# KiCad board poly_kb_wave_left2.kicad_pcb
title: PolyKybd Split72 L; date: 2023-06-22; rev: 2.2; company: thpoll

Outline 182 x 129 mm; copper layers: Top (plane), In1.Cu, In2.Cu (plane), Bottom. Coordinates in mm from the lower left corner of the outline.
Outline path: 15.1,101.57 arc(14.21,102.46) 15.1,103.35 ; 15.1,101.57 arc(14.21,102.46) 15.1,103.35 ; 15.1,101.57 23.08,101.57 ; 15.1,103.35 23.08,103.35 ; 15.1,82.52 arc(14.21,83.41) 15.1,84.3 ; 15.1,82.52 arc(14.21,83.41) 15.1,84.3 ; 15.1,82.52 23.08,82.52 ; 15.1,84.3 23.08,84.3 ; 15.1,63.47 arc(14.21,64.36) 15.1,65.25 ; 15.1,63.47 arc(14.21,64.36) 15.1,65.25 ; 15.1,63.47 23.08,63.47 ; 15.1,65.25 23.08,65.25 ; 15.1,44.42 arc(14.21,45.31) 15.1,46.2 ; 15.1,44.42 arc(14.21,45.31) 15.1,46.2 ; 15.1,44.42 23.08,44.42 ; 15.1,46.2 23.08,46.2 ; 19.86,25.37 arc(18.97,26.26) 19.86,27.15 ; 19.86,25.37 arc(18.97,26.26) 19.86,27.15 ; 19.86,25.37 27.84,25.37 ; 19.86,27.15 27.84,27.15 ; 23.08,103.35 arc(23.97,102.46) 23.08,101.57 ; 23.08,103.35 arc(23.97,102.46) 23.08,101.57 ; 23.08,84.3 arc(23.97,83.41) 23.08,82.52 ; 23.08,84.3 arc(23.97,83.41) 23.08,82.52 ; 23.08,65.25 arc(23.97,64.36) 23.08,63.47 ; 23.08,65.25 arc(23.97,64.36) 23.08,63.47 ; 23.08,46.2 arc(23.97,45.31) 23.08,44.42 ; 23.08,46.2 arc(23.97,45.31) 23.08,44.42 ; 27.84,27.15 arc(28.73,26.26) 27.84,25.37 ; 27.84,27.15 arc(28.73,26.26) 27.84,25.37 ; 38.91,101.57 arc(38.02,102.46) 38.91,103.35 ; 38.91,101.57 arc(38.02,102.46) 38.91,103.35 ; 38.91,101.57 46.89,101.57 ; 38.91,103.35 46.89,103.35 ; 38.91,82.52 arc(38.02,83.41) 38.91,84.3 ; 38.91,82.52 arc(38.02,83.41) 38.91,84.3 ; 38.91,82.52 46.89,82.52 ; 38.91,84.3 46.89,84.3 ; 38.91,63.47 arc(38.02,64.36) 38.91,65.25 ; 38.91,63.47 arc(38.02,64.36) 38.91,65.25 ; 38.91,63.47 46.89,63.47 ; 38.91,65.25 46.89,65.25 ; 38.91,44.42 arc(38.02,45.31) 38.91,46.2 ; 38.91,44.42 arc(38.02,45.31) 38.91,46.2 ; 38.91,44.42 46.89,44.42 ; 38.91,46.2 46.89,46.2 ; 38.91,25.37 arc(38.02,26.26) 38.91,27.15 ; 38.91,25.37 arc(38.02,26.26) 38.91,27.15 ; 38.91,25.37 46.89,25.37 ; 38.91,27.15 46.89,27.15 ; 46.89,103.35 arc(47.78,102.46) 46.89,101.57 ; 46.89,103.35 arc(47.78,102.46) 46.89,101.57 ; 46.89,84.3 arc(47.78,83.41) 46.89,82.52 ; 46.89,84.3 arc(47.78,83.41) 46.89,82.52 ; 46.89,65.25 arc(47.78,64.36) 46.89,63.47 ; 46.89,65.25 arc(47.78,64.36) 46.89,63.47 ; 46.89,46.2 arc(47.78,45.31) 46.89,44.42 ; 46.89,46.2 arc(47.78,45.31) 46.89,44.42 ; 46.89,27.15 arc(47.78,26.26) 46.89,25.37 ; 46.89,27.15 arc(47.78,26.26) 46.89,25.37 ; 57.96,103.95 arc(57.07,104.84) 57.96,105.73 ; 57.96,103.95 arc(57.07,104.84) 57.96,105.73 ; 57.96,103.95 65.94,103.95 ; 57.96,105.73 65.94,105.73 ; 57.96,84.9 arc(57.07,85.79) 57.96,86.68 ; 57.96,84.9 arc(57.07,85.79) 57.96,86.68 ; 57.96,84.9 65.94,84.9 ; 57.96,86.68 65.94,86.68 ; 57.96,65.85 arc(57.07,66.74) 57.96,67.63 ; 57.96,65.85 arc(57.07,66.74) 57.96,67.63 ; 57.96,65.85 65.94,65.85 ; 57.96,67.63 65.94,67.63 ; 57.96,46.8 arc(57.07,47.69) 57.96,48.58 ; 57.96,46.8 arc(57.07,47.69) 57.96,48.58 ; 57.96,46.8 65.94,46.8 ; 57.96,48.58 65.94,48.58 ; 57.96,27.75 arc(57.07,28.64) 57.96,29.53 ; 57.96,27.75 arc(57.07,28.64) 57.96,29.53 ; 57.96,27.75 65.94,27.75 ; 57.96,29.53 65.94,29.53 ; 65.94,105.73 arc(66.83,104.84) 65.94,103.95 ; 65.94,105.73 arc(66.83,104.84) 65.94,103.95 ; 65.94,86.68 arc(66.83,85.79) 65.94,84.9 ; 65.94,86.68 arc(66.83,85.79) 65.94,84.9 ; 65.94,67.63 arc(66.83,66.74) 65.94,65.85 ; 65.94,67.63 arc(66.83,66.74) 65.94,65.85 ; 65.94,48.58 arc(66.83,47.69) 65.94,46.8 ; 65.94,48.58 arc(66.83,47.69) 65.94,46.8 ; 65.94,29.53 arc(66.83,28.64) 65.94,27.75 ; 65.94,29.53 arc(66.83,28.64) 65.94,27.75 ; 77.01,106.34 arc(76.12,107.22) 77.01,108.11 ; 77.01,106.34 arc(76.12,107.22) 77.01,108.11 ; 77.01,106.34 84.99,106.34 ; 77.01,108.11 84.99,108.11 ; 77.01,87.29 arc(76.12,88.17) 77.01,89.06 ; 77.01,87.29 arc(76.12,88.17) 77.01,89.06 ; 77.01,87.29 84.99,87.29 ; 77.01,89.06 84.99,89.06 ; 77.01,68.24 arc(76.12,69.12) 77.01,70.01 ; 77.01,68.24 arc(76.12,69.12) 77.01,70.01 ; 77.01,68.24 84.99,68.24 ; 77.01,70.01 84.99,70.01 ; 77.01,49.19 arc(76.12,50.08) 77.01,50.96 ; 77.01,49.19 arc(76.12,50.07) 77.01,50.96 ; 77.01,49.19 84.99,49.19 ; 77.01,50.96 84.99,50.96 ; 77.01,30.14 arc(76.12,31.02) 77.01,31.91 ; 77.01,30.14 arc(76.12,31.02) 77.01,31.91 ; 77.01,30.14 84.99,30.14 ; 77.01,31.91 84.99,31.91 ; 84.99,108.11 arc(85.88,107.23) 84.99,106.34 ; 84.99,108.11 arc(85.88,107.22) 84.99,106.34 ; 84.99,89.06 arc(85.88,88.18) 84.99,87.29 ; 84.99,89.06 arc(85.88,88.17) 84.99,87.29 ; 84.99,70.01 arc(85.88,69.13) 84.99,68.24 ; 84.99,70.01 arc(85.88,69.12) 84.99,68.24 ; 84.99,50.96 arc(85.88,50.08) 84.99,49.19 ; 84.99,50.96 arc(85.88,50.08) 84.99,49.19 ; 84.99,31.91 arc(85.88,31.03) 84.99,30.14 ; 84.99,31.91 arc(85.88,31.02) 84.99,30.14 ; 96.06,103.95 arc(95.17,104.84) 96.06,105.73 ; 96.06,103.95 arc(95.17,104.84) 96.06,105.73 ; 96.06,103.95 arc(95.17,104.84) 96.06,105.73 ; 96.06,103.95 104.04,103.95 ; 96.06,105.73 104.04,105.73 ; 96.06,84.9 arc(95.17,85.79) 96.06,86.68 ; 96.06,84.9 arc(95.17,85.79) 96.06,86.68 ; 96.06,84.9 104.04,84.9 arc(104.93,85.79) 104.04,86.68 96.06,86.68 ; 96.06,65.85 arc(95.17,66.74) 96.06,67.63 ; 96.06,65.85 arc(95.17,66.74) 96.06,67.63 ; 96.06,65.85 104.04,65.85 arc(104.93,66.74) 104.04,67.63 96.06,67.63 ; 96.06,46.8 arc(95.17,47.69) 96.06,48.58 ; 96.06,46.8 arc(95.17,47.69) 96.06,48.58 ; 96.06,46.8 104.04,46.8 arc(104.93,47.69) 104.04,48.58 96.06,48.58 ; 104.04,105.73 arc(104.93,104.84) 104.04,103.95 ; 104.04,105.73 arc(104.93,104.84) 104.04,103.95 ; 115.11,101.57 arc(114.22,102.46) 115.11,103.35 ; 115.11,101.57 arc(114.22,102.46) 115.11,103.35 ; 115.11,101.57 123.09,101.57 ; 115.11,103.35 123.09,103.35 ; 115.11,82.52 arc(114.22,83.41) 115.11,84.3 ; 115.11,82.52 arc(114.22,83.41) 115.11,84.3 ; 115.11,82.52 123.09,82.52 ; 115.11,84.3 123.09,84.3 ; 115.11,63.47 arc(114.22,64.36) 115.11,65.25 ; 115.11,63.47 arc(114.22,64.36) 115.11,65.25 ; 115.11,63.47 123.09,63.47 ; 115.11,65.25 123.09,65.25 ; 115.11,44.42 arc(114.22,45.31) 115.11,46.2 ; 115.11,44.42 arc(114.22,45.31) 115.11,46.2 ; 115.11,44.42 123.09,44.42 ; 115.11,46.2 123.09,46.2 ; 123.09,103.35 arc(123.98,102.46) 123.09,101.57 ; 123.09,103.35 arc(123.98,102.46) 123.09,101.57 ; 123.09,84.3 arc(123.98,83.41) 123.09,82.52 ; 123.09,84.3 arc(123.98,83.41) 123.09,82.52 ; 123.09,65.25 arc(123.98,64.36) 123.09,63.47 ; 123.09,65.25 arc(123.98,64.36) 123.09,63.47 ; 123.09,46.2 arc(123.98,45.31) 123.09,44.42 ; 123.09,46.2 arc(123.98,45.31) 123.09,44.42 ; 134.16,101.57 arc(133.27,102.46) 134.16,103.35 ; 134.16,101.57 arc(133.27,102.46) 134.16,103.35 ; 134.16,101.57 142.14,101.57 ; 134.16,103.35 142.14,103.35 ; 134.16,82.52 arc(133.27,83.41) 134.16,84.3 ; 134.16,82.52 arc(133.27,83.41) 134.16,84.3 ; 134.16,82.52 142.14,82.52 ; 134.16,84.3 142.14,84.3 ; 134.16,63.47 arc(133.27,64.36) 134.16,65.25 ; 134.16,63.47 arc(133.27,64.36) 134.16,65.25 ; 134.16,63.47 142.14,63.47 ; 134.16,65.25 142.14,65.25 ; 142.14,103.35 arc(143.03,102.46) 142.14,101.57 ; 142.14,103.35 arc(143.03,102.46) 142.14,101.57 ; 142.14,84.3 arc(143.03,83.41) 142.14,82.52 ; 142.14,84.3 arc(143.03,83.41) 142.14,82.52 ; 142.14,65.25 arc(143.03,64.36) 142.14,63.47 ; 142.14,65.25 arc(143.03,64.36) 142.14,63.47 ; 157.14,11.75 149.63,14.48 arc(148.5,13.95) 149.03,12.81 156.53,10.08 arc(157.67,10.61) 157.14,11.75 ; 157.14,11.75 149.64,14.48 arc(148.5,13.95) 149.03,12.81 156.53,10.08 arc(157.67,10.61) 157.14,11.75 ; 0,122 0,40 6,21 9,18 52,18 121,12 161,0 163,0 165,1 181,45 182,49 182,123 180,125 112.7,129 71.2,129 1,123 0,122 ; 106.84,20.92 arc(106.03,21.88) 106.99,22.69 114.94,21.99 arc(115.75,21.03) 114.79,20.22 106.84,20.92 ; 106.84,20.92 arc(106.03,21.89) 107,22.69 114.95,22 arc(115.76,21.04) 114.79,20.23 106.84,20.92 ; 128.5,18.13 arc(127.84,19.2) 128.92,19.85 136.68,17.99 arc(137.33,16.92) 136.26,16.26 128.5,18.13 ; 128.52,18.13 arc(127.87,19.21) 128.94,19.86 136.7,18 arc(137.36,16.93) 136.28,16.27 128.52,18.13 ; 134.21,39.84 arc(133.55,40.91) 134.62,41.56 142.38,39.7 arc(143.04,38.63) 141.97,37.97 134.21,39.84 ; 134.21,39.85 arc(133.55,40.94) 134.65,41.58 142.39,39.72 arc(143.04,38.65) 141.97,37.99 134.21,39.85 ; 157.11,33.47 arc(156.58,34.61) 157.72,35.14 165.22,32.41 arc(165.75,31.27) 164.61,30.74 157.11,33.47 ; 157.14,33.47 arc(156.61,34.61) 157.74,35.14 165.25,32.41 arc(165.78,31.27) 164.64,30.74 157.14,33.47
Stack: Top 0.035mm / dielectric 0.2104mm FR4 er 4.5 / In1.Cu 0.0152mm / dielectric 1.065mm FR4 er 4.5 / In2.Cu 0.0152mm / dielectric 0.2104mm FR4 er 4.5 / Bottom 0.035mm

## Placement (name value [footprint] x y rotation side)
C1_1  2.2uF 0603 25V  [C_0603_1608Metric]  27.02 117.76 270 bottom
C1_2  2.2uF 0603 25V  [C_0603_1608Metric]  50.84 117.76 270 bottom
C1_3  2.2uF 0603 25V  [C_0603_1608Metric]  69.89 120.15 270 bottom
C1_4  2.2uF 0603 25V  [C_0603_1608Metric]  91 118.8 270 bottom
C1_5  2.2uF 0603 25V  [C_0603_1608Metric]  107.99 120.15 270 bottom
C1_6  2.2uF 0603 25V  [C_0603_1608Metric]  127.04 117.76 270 bottom
C1_7  2.2uF 0603 25V  [C_0603_1608Metric]  146.09 117.76 270 bottom
C1_8  2.2uF 0603 25V  [C_0603_1608Metric]  27.02 98.71 270 bottom
C1_9  2.2uF 0603 25V  [C_0603_1608Metric]  50.84 98.71 270 bottom
C1_10  2.2uF 0603 25V  [C_0603_1608Metric]  69.89 101.1 270 bottom
C1_11  2.2uF 0603 25V  [C_0603_1608Metric]  88.94 103.48 270 bottom
C1_12  2.2uF 0603 25V  [C_0603_1608Metric]  107.99 101.1 270 bottom
C1_13  2.2uF 0603 25V  [C_0603_1608Metric]  127.04 98.71 270 bottom
C1_14  2.2uF 0603 25V  [C_0603_1608Metric]  146.09 98.71 270 bottom
C1_15  2.2uF 0603 25V  [C_0603_1608Metric]  27.02 79.66 270 bottom
C1_16  2.2uF 0603 25V  [C_0603_1608Metric]  50.84 79.66 270 bottom
C1_17  2.2uF 0603 25V  [C_0603_1608Metric]  69.89 82.05 270 bottom
C1_18  2.2uF 0603 25V  [C_0603_1608Metric]  88.94 84.43 270 bottom
C1_19  2.2uF 0603 25V  [C_0603_1608Metric]  107.99 82.05 270 bottom
C1_20  2.2uF 0603 25V  [C_0603_1608Metric]  127.04 79.66 270 bottom
C1_21  2.2uF 0603 25V  [C_0603_1608Metric]  146.09 79.66 270 bottom
C1_22  2.2uF 0603 25V  [C_0603_1608Metric]  27.02 60.61 270 bottom
C1_23  2.2uF 0603 25V  [C_0603_1608Metric]  50.84 60.61 270 bottom
C1_24  2.2uF 0603 25V  [C_0603_1608Metric]  69.89 63 270 bottom
C1_25  2.2uF 0603 25V  [C_0603_1608Metric]  88.94 65.38 270 bottom
C1_26  2.2uF 0603 25V  [C_0603_1608Metric]  107.99 63 270 bottom
C1_27  2.2uF 0603 25V  [C_0603_1608Metric]  127.04 60.61 270 bottom
C1_28  2.2uF 0603 25V  [C_0603_1608Metric]  149.58 52.8 256.5 bottom
C1_29  2.2uF 0603 25V  [C_0603_1608Metric]  173.86 44.61 250 bottom
C1_30  2.2uF 0603 25V  [C_0603_1608Metric]  31.79 41.56 270 bottom
C1_31  2.2uF 0603 25V  [C_0603_1608Metric]  50.84 41.56 270 bottom
C1_32  2.2uF 0603 25V  [C_0603_1608Metric]  69.89 43.95 270 bottom
C1_33  2.2uF 0603 25V  [C_0603_1608Metric]  88.94 46.33 270 bottom
C1_34  2.2uF 0603 25V  [C_0603_1608Metric]  120.13 36.01 265 bottom
C1_35  2.2uF 0603 25V  [C_0603_1608Metric]  143.88 31.09 256.5 bottom
C1_36  2.2uF 0603 25V  [C_0603_1608Metric]  165.77 23.95 250 bottom
C2  1uF 0402 16V  [C_0402_1005Metric]  163.44 86.2 0 bottom
C2_1  2.2uF 0603 16V  [C_0603_1608Metric]  12.8 119.03 180 bottom
C2_2  2.2uF 0603 16V  [C_0603_1608Metric]  36.61 119.03 180 bottom
C2_3  2.2uF 0603 16V  [C_0603_1608Metric]  53.84 120.05 180 bottom
C2_4  2.2uF 0603 16V  [C_0603_1608Metric]  72.84 122.4 180 bottom
C2_5  2.2uF 0603 16V  [C_0603_1608Metric]  92.59 118.8 270 bottom
C2_6  2.2uF 0603 16V  [C_0603_1608Metric]  112.81 119.03 180 bottom
C2_7  2.2uF 0603 16V  [C_0603_1608Metric]  131.86 119.03 180 bottom
C2_8  2.2uF 0603 16V  [C_0603_1608Metric]  12.8 99.98 180 bottom
C2_9  2.2uF 0603 16V  [C_0603_1608Metric]  36.61 99.98 180 bottom
C2_10  2.2uF 0603 16V  [C_0603_1608Metric]  55.66 102.37 180 bottom
C2_11  2.2uF 0603 16V  [C_0603_1608Metric]  74.71 104.75 180 bottom
C2_12  2.2uF 0603 16V  [C_0603_1608Metric]  93.76 102.37 180 bottom
C2_13  2.2uF 0603 16V  [C_0603_1608Metric]  112.81 99.98 180 bottom
C2_14  2.2uF 0603 16V  [C_0603_1608Metric]  131.86 99.98 180 bottom
C2_15  2.2uF 0603 16V  [C_0603_1608Metric]  12.8 80.93 180 bottom
C2_16  2.2uF 0603 16V  [C_0603_1608Metric]  36.61 80.93 180 bottom
C2_17  2.2uF 0603 16V  [C_0603_1608Metric]  55.66 83.32 180 bottom
C2_18  2.2uF 0603 16V  [C_0603_1608Metric]  74.71 85.7 180 bottom
C2_19  2.2uF 0603 16V  [C_0603_1608Metric]  93.76 83.32 180 bottom
C2_20  2.2uF 0603 16V  [C_0603_1608Metric]  112.81 80.93 180 bottom
C2_21  2.2uF 0603 16V  [C_0603_1608Metric]  131.86 80.93 180 bottom
C2_22  2.2uF 0603 16V  [C_0603_1608Metric]  12.8 61.88 180 bottom
C2_23  2.2uF 0603 16V  [C_0603_1608Metric]  36.61 61.88 180 bottom
C2_24  2.2uF 0603 16V  [C_0603_1608Metric]  55.66 64.27 180 bottom
C2_25  2.2uF 0603 16V  [C_0603_1608Metric]  74.71 66.65 180 bottom
C2_26  2.2uF 0603 16V  [C_0603_1608Metric]  93.76 64.27 180 bottom
C2_27  2.2uF 0603 16V  [C_0603_1608Metric]  112.81 61.88 180 bottom
C2_28  2.2uF 0603 16V  [C_0603_1608Metric]  136.05 57.35 166.5 bottom
C2_29  2.2uF 0603 16V  [C_0603_1608Metric]  160.93 50.66 160 bottom
C2_30  2.2uF 0603 16V  [C_0603_1608Metric]  17.56 42.83 180 bottom
C2_31  2.2uF 0603 16V  [C_0603_1608Metric]  36.61 42.83 180 bottom
C2_32  2.2uF 0603 16V  [C_0603_1608Metric]  55.66 45.22 180 bottom
C2_33  2.2uF 0603 16V  [C_0603_1608Metric]  74.71 47.6 180 bottom
C2_34  2.2uF 0603 16V  [C_0603_1608Metric]  106.07 38.51 175 bottom
C2_35  2.2uF 0603 16V  [C_0603_1608Metric]  130.34 35.64 166.5 bottom
C2_36  2.2uF 0603 16V  [C_0603_1608Metric]  152.84 30 160 bottom
C3  27pF 0402 16V  [C_0402_1005Metric]  164.1 97.27 180 bottom
C3_1  1uF 0402 16V  [C_0402_1005Metric]  11.53 116.24 180 bottom
C3_2  1uF 0402 16V  [C_0402_1005Metric]  35.34 116.24 180 bottom
C3_3  1uF 0402 16V  [C_0402_1005Metric]  54.39 118.62 180 bottom
C3_4  1uF 0402 16V  [C_0402_1005Metric]  73.44 121 180 bottom
C3_5  1uF 0402 16V  [C_0402_1005Metric]  92.22 116.78 180 bottom
C3_6  1uF 0402 16V  [C_0402_1005Metric]  111.54 116.24 180 bottom
C3_7  1uF 0402 16V  [C_0402_1005Metric]  130.59 116.24 180 bottom
C3_8  1uF 0402 16V  [C_0402_1005Metric]  11.53 97.19 180 bottom
C3_9  1uF 0402 16V  [C_0402_1005Metric]  35.34 97.19 180 bottom
C3_10  1uF 0402 16V  [C_0402_1005Metric]  54.39 99.57 180 bottom
C3_11  1uF 0402 16V  [C_0402_1005Metric]  73.44 101.95 180 bottom
C3_12  1uF 0402 16V  [C_0402_1005Metric]  92.49 99.57 180 bottom
C3_13  1uF 0402 16V  [C_0402_1005Metric]  111.54 97.19 180 bottom
C3_14  1uF 0402 16V  [C_0402_1005Metric]  130.59 97.19 180 bottom
C3_15  1uF 0402 16V  [C_0402_1005Metric]  11.53 78.14 180 bottom
C3_16  1uF 0402 16V  [C_0402_1005Metric]  51.29 75.2 270 bottom
C3_17  1uF 0402 16V  [C_0402_1005Metric]  54.39 80.52 180 bottom
C3_18  1uF 0402 16V  [C_0402_1005Metric]  73.44 82.9 180 bottom
C3_19  1uF 0402 16V  [C_0402_1005Metric]  92.49 80.52 180 bottom
C3_20  1uF 0402 16V  [C_0402_1005Metric]  111.54 78.14 180 bottom
C3_21  1uF 0402 16V  [C_0402_1005Metric]  130.59 78.14 180 bottom
C3_22  1uF 0402 16V  [C_0402_1005Metric]  11.53 59.09 180 bottom
C3_23  1uF 0402 16V  [C_0402_1005Metric]  35.34 59.09 180 bottom
C3_24  1uF 0402 16V  [C_0402_1005Metric]  54.39 61.47 180 bottom
C3_25  1uF 0402 16V  [C_0402_1005Metric]  73.44 63.85 180 bottom
C3_26  1uF 0402 16V  [C_0402_1005Metric]  92.49 61.47 180 bottom
C3_27  1uF 0402 16V  [C_0402_1005Metric]  111.54 59.09 180 bottom
C3_28  1uF 0402 16V  [C_0402_1005Metric]  134.16 54.93 166.5 bottom
C3_29  1uF 0402 16V  [C_0402_1005Metric]  158.78 48.47 160 bottom
C3_30  1uF 0402 16V  [C_0402_1005Metric]  16.29 40.04 180 bottom
C3_31  1uF 0402 16V  [C_0402_1005Metric]  35.34 40.04 180 bottom
C3_32  1uF 0402 16V  [C_0402_1005Metric]  54.39 42.42 180 bottom
C3_33  1uF 0402 16V  [C_0402_1005Metric]  73.44 44.8 180 bottom
C3_34  1uF 0402 16V  [C_0402_1005Metric]  104.56 35.84 175 bottom
C3_35  1uF 0402 16V  [C_0402_1005Metric]  128.46 33.22 166.5 bottom
C3_36  1uF 0402 16V  [C_0402_1005Metric]  150.69 27.81 160 bottom
C4  10uF 0805 16V  [C_0805_2012Metric]  172.05 118.1 90 top
C4_1  4.7uF 3216 25V Tantalum  [CP_EIA-3216-18_Kemet-A]  24.99 117.64 270 bottom
C4_2  4.7uF 3216 25V Tantalum  [CP_EIA-3216-18_Kemet-A]  48.8 117.64 270 bottom
C4_3  4.7uF 3216 25V Tantalum  [CP_EIA-3216-18_Kemet-A]  67.85 120.02 270 bottom
C4_4  4.7uF 3216 25V Tantalum  [CP_EIA-3216-18_Kemet-A]  86.9 122.4 270 bottom
C4_5  4.7uF 3216 25V Tantalum  [CP_EIA-3216-18_Kemet-A]  105.95 120.02 270 bottom
C4_6  4.7uF 3216 25V Tantalum  [CP_EIA-3216-18_Kemet-A]  125 117.64 270 bottom
C4_7  4.7uF 3216 25V Tantalum  [CP_EIA-3216-18_Kemet-A]  144.05 117.64 270 bottom
C4_8  4.7uF 3216 25V Tantalum  [CP_EIA-3216-18_Kemet-A]  24.99 98.59 270 bottom
C4_9  4.7uF 3216 25V Tantalum  [CP_EIA-3216-18_Kemet-A]  48.8 98.59 270 bottom
C4_10  4.7uF 3216 25V Tantalum  [CP_EIA-3216-18_Kemet-A]  67.85 100.97 270 bottom
C4_11  4.7uF 3216 25V Tantalum  [CP_EIA-3216-18_Kemet-A]  86.9 103.35 270 bottom
C4_12  4.7uF 3216 25V Tantalum  [CP_EIA-3216-18_Kemet-A]  105.95 100.97 270 bottom
C4_13  4.7uF 3216 25V Tantalum  [CP_EIA-3216-18_Kemet-A]  125 98.59 270 bottom
C4_14  4.7uF 3216 25V Tantalum  [CP_EIA-3216-18_Kemet-A]  144.05 98.59 270 bottom
C4_15  4.7uF 3216 25V Tantalum  [CP_EIA-3216-18_Kemet-A]  24.99 79.54 270 bottom
C4_16  4.7uF 3216 25V Tantalum  [CP_EIA-3216-18_Kemet-A]  48.8 79.54 270 bottom
C4_17  4.7uF 3216 25V Tantalum  [CP_EIA-3216-18_Kemet-A]  67.85 81.92 270 bottom
C4_18  4.7uF 3216 25V Tantalum  [CP_EIA-3216-18_Kemet-A]  86.9 84.3 270 bottom
C4_19  4.7uF 3216 25V Tantalum  [CP_EIA-3216-18_Kemet-A]  105.95 81.92 270 bottom
C4_20  4.7uF 3216 25V Tantalum  [CP_EIA-3216-18_Kemet-A]  125 79.54 270 bottom
C4_21  4.7uF 3216 25V Tantalum  [CP_EIA-3216-18_Kemet-A]  144.05 79.54 270 bottom
C4_22  4.7uF 3216 25V Tantalum  [CP_EIA-3216-18_Kemet-A]  24.99 60.49 270 bottom
C4_23  4.7uF 3216 25V Tantalum  [CP_EIA-3216-18_Kemet-A]  48.8 60.49 270 bottom
C4_24  4.7uF 3216 25V Tantalum  [CP_EIA-3216-18_Kemet-A]  67.85 62.87 270 bottom
C4_25  4.7uF 3216 25V Tantalum  [CP_EIA-3216-18_Kemet-A]  86.9 65.25 270 bottom
C4_26  4.7uF 3216 25V Tantalum  [CP_EIA-3216-18_Kemet-A]  105.95 62.87 270 bottom
C4_27  4.7uF 3216 25V Tantalum  [CP_EIA-3216-18_Kemet-A]  125 60.49 270 bottom
C4_28  4.7uF 3216 25V Tantalum  [CP_EIA-3216-18_Kemet-A]  147.58 53.15 256.5 bottom
C4_29  4.7uF 3216 25V Tantalum  [CP_EIA-3216-18_Kemet-A]  171.91 45.18 250 bottom
C4_30  4.7uF 3216 25V Tantalum  [CP_EIA-3216-18_Kemet-A]  29.75 41.44 270 bottom
C4_31  4.7uF 3216 25V Tantalum  [CP_EIA-3216-18_Kemet-A]  48.8 41.44 270 bottom
C4_32  4.7uF 3216 25V Tantalum  [CP_EIA-3216-18_Kemet-A]  67.85 43.82 270 bottom
C4_33  4.7uF 3216 25V Tantalum  [CP_EIA-3216-18_Kemet-A]  86.9 46.2 270 bottom
C4_34  4.7uF 3216 25V Tantalum  [CP_EIA-3216-18_Kemet-A]  118.09 36.06 265 bottom
C4_35  4.7uF 3216 25V Tantalum  [CP_EIA-3216-18_Kemet-A]  141.87 31.44 256.5 bottom
C4_36  4.7uF 3216 25V Tantalum  [CP_EIA-3216-18_Kemet-A]  163.82 24.52 250 bottom
C5  22pF 0603 16V  [C_0603_1608Metric]  178.26 110.15 90 top
C5_1  1uF 0402 16V  [C_0402_1005Metric]  13.43 116.24 180 bottom
C5_2  1uF 0402 16V  [C_0402_1005Metric]  37.25 116.24 180 bottom
C5_3  1uF 0402 16V  [C_0402_1005Metric]  56.3 118.62 180 bottom
C5_4  1uF 0402 16V  [C_0402_1005Metric]  75.35 121 180 bottom
C5_5  1uF 0402 16V  [C_0402_1005Metric]  94.34 117.6 180 bottom
C5_6  1uF 0402 16V  [C_0402_1005Metric]  113.45 116.24 180 bottom
C5_7  1uF 0402 16V  [C_0402_1005Metric]  132.5 116.24 180 bottom
C5_8  1uF 0402 16V  [C_0402_1005Metric]  13.43 97.19 180 bottom
C5_9  1uF 0402 16V  [C_0402_1005Metric]  37.25 97.19 180 bottom
C5_10  1uF 0402 16V  [C_0402_1005Metric]  56.3 99.57 180 bottom
C5_11  1uF 0402 16V  [C_0402_1005Metric]  75.35 101.95 180 bottom
C5_12  1uF 0402 16V  [C_0402_1005Metric]  94.4 99.57 180 bottom
C5_13  1uF 0402 16V  [C_0402_1005Metric]  113.45 97.19 180 bottom
C5_14  1uF 0402 16V  [C_0402_1005Metric]  132.5 97.19 180 bottom
C5_15  1uF 0402 16V  [C_0402_1005Metric]  13.43 78.14 180 bottom
C5_16  1uF 0402 16V  [C_0402_1005Metric]  37.25 78.14 180 bottom
C5_17  1uF 0402 16V  [C_0402_1005Metric]  56.3 80.52 180 bottom
C5_18  1uF 0402 16V  [C_0402_1005Metric]  75.35 82.9 180 bottom
C5_19  1uF 0402 16V  [C_0402_1005Metric]  94.4 80.52 180 bottom
C5_20  1uF 0402 16V  [C_0402_1005Metric]  113.45 78.14 180 bottom
C5_21  1uF 0402 16V  [C_0402_1005Metric]  132.5 78.14 180 bottom
C5_22  1uF 0402 16V  [C_0402_1005Metric]  13.43 59.09 180 bottom
C5_23  1uF 0402 16V  [C_0402_1005Metric]  37.25 59.09 180 bottom
C5_24  1uF 0402 16V  [C_0402_1005Metric]  56.3 61.47 180 bottom
C5_25  1uF 0402 16V  [C_0402_1005Metric]  75.35 63.85 180 bottom
C5_26  1uF 0402 16V  [C_0402_1005Metric]  94.4 61.47 180 bottom
C5_27  1uF 0402 16V  [C_0402_1005Metric]  113.45 59.09 180 bottom
C5_28  1uF 0402 16V  [C_0402_1005Metric]  136.01 54.49 166.5 bottom
C5_29  1uF 0402 16V  [C_0402_1005Metric]  160.57 47.82 160 bottom
C5_30  1uF 0402 16V  [C_0402_1005Metric]  18.2 40.04 180 bottom
C5_31  1uF 0402 16V  [C_0402_1005Metric]  37.25 40.04 180 bottom
C5_32  1uF 0402 16V  [C_0402_1005Metric]  56.3 42.42 180 bottom
C5_33  1uF 0402 16V  [C_0402_1005Metric]  75.35 44.8 180 bottom
C5_34  1uF 0402 16V  [C_0402_1005Metric]  106.46 35.67 175 bottom
C5_35  1uF 0402 16V  [C_0402_1005Metric]  130.31 32.78 166.5 bottom
C5_36  1uF 0402 16V  [C_0402_1005Metric]  152.48 27.16 160 bottom
C6  10uF 0805 16V  [C_0805_2012Metric]  174.96 110.2 90 top
C6_1  1uF 0402 16V  [C_0402_1005Metric]  13.43 117.76 0 bottom
C6_2  1uF 0402 16V  [C_0402_1005Metric]  37.25 117.76 0 bottom
C6_3  1uF 0402 16V  [C_0402_1005Metric]  56.3 120.15 0 bottom
C6_4  1uF 0402 16V  [C_0402_1005Metric]  75.35 122.53 0 bottom
C6_5  1uF 0402 16V  [C_0402_1005Metric]  94.34 118.85 0 bottom
C6_6  1uF 0402 16V  [C_0402_1005Metric]  113.45 117.76 0 bottom
C6_7  1uF 0402 16V  [C_0402_1005Metric]  132.5 117.76 0 bottom
C6_8  1uF 0402 16V  [C_0402_1005Metric]  13.43 98.71 0 bottom
C6_9  1uF 0402 16V  [C_0402_1005Metric]  37.25 98.71 0 bottom
C6_10  1uF 0402 16V  [C_0402_1005Metric]  56.3 101.1 0 bottom
C6_11  1uF 0402 16V  [C_0402_1005Metric]  75.35 103.48 0 bottom
C6_12  1uF 0402 16V  [C_0402_1005Metric]  94.4 101.1 0 bottom
C6_13  1uF 0402 16V  [C_0402_1005Metric]  113.45 98.71 0 bottom
C6_14  1uF 0402 16V  [C_0402_1005Metric]  132.5 98.71 0 bottom
C6_15  1uF 0402 16V  [C_0402_1005Metric]  13.43 79.66 0 bottom
C6_16  1uF 0402 16V  [C_0402_1005Metric]  37.25 79.66 0 bottom
C6_17  1uF 0402 16V  [C_0402_1005Metric]  56.3 82.05 0 bottom
C6_18  1uF 0402 16V  [C_0402_1005Metric]  75.35 84.43 0 bottom
C6_19  1uF 0402 16V  [C_0402_1005Metric]  94.4 82.05 0 bottom
C6_20  1uF 0402 16V  [C_0402_1005Metric]  113.45 79.66 0 bottom
C6_21  1uF 0402 16V  [C_0402_1005Metric]  132.5 79.66 0 bottom
C6_22  1uF 0402 16V  [C_0402_1005Metric]  13.43 60.61 0 bottom
C6_23  1uF 0402 16V  [C_0402_1005Metric]  37.25 60.61 0 bottom
C6_24  1uF 0402 16V  [C_0402_1005Metric]  56.3 63 0 bottom
C6_25  1uF 0402 16V  [C_0402_1005Metric]  75.35 65.38 0 bottom
C6_26  1uF 0402 16V  [C_0402_1005Metric]  94.4 63 0 bottom
C6_27  1uF 0402 16V  [C_0402_1005Metric]  113.45 60.61 0 bottom
C6_28  1uF 0402 16V  [C_0402_1005Metric]  136.37 55.97 346.5 bottom
C6_29  1uF 0402 16V  [C_0402_1005Metric]  161.09 49.25 340 bottom
C6_30  1uF 0402 16V  [C_0402_1005Metric]  18.2 41.56 0 bottom
C6_31  1uF 0402 16V  [C_0402_1005Metric]  37.25 41.56 0 bottom
C6_32  1uF 0402 16V  [C_0402_1005Metric]  56.3 43.95 0 bottom
C6_33  1uF 0402 16V  [C_0402_1005Metric]  75.35 46.33 0 bottom
C6_34  1uF 0402 16V  [C_0402_1005Metric]  106.59 37.19 355 bottom
C6_35  1uF 0402 16V  [C_0402_1005Metric]  130.66 34.26 346.5 bottom
C6_36  1uF 0402 16V  [C_0402_1005Metric]  153 28.59 340 bottom
C8  27pF 0402 16V  [C_0402_1005Metric]  163.1 92.27 270 bottom
C9  100nF 0402 16V  [C_0402_1005Metric]  157.89 109.75 90 bottom
C10  10uF 0805 16V  [C_0805_2012Metric]  173.28 103.84 180 top
C11  22pF 0603 16V  [C_0603_1608Metric]  175.05 100.03 0 top
C12  10uF 0805 16V  [C_0805_2012Metric]  172.89 100.79 90 bottom
C13  10uF 0805 16V  [C_0805_2012Metric]  172.55 95.95 90 bottom
C14  10uF 0805 16V  [C_0805_2012Metric]  176.36 93.29 90 bottom
C15  100nF 0402 16V  [C_0402_1005Metric]  160.5 102.36 180 top
C16  100nF 0402 16V  [C_0402_1005Metric]  162.1 106.85 270 top
C17  100nF 0402 16V  [C_0402_1005Metric]  159.1 103.5 0 top
C18  100nF 0402 16V  [C_0402_1005Metric]  162.48 102.28 180 top
C19  100nF 0402 16V  [C_0402_1005Metric]  159.52 104.98 270 top
C20  100nF 0402 16V  [C_0402_1005Metric]  160.9 106.9 270 top
C21  100nF 0402 16V  [C_0402_1005Metric]  164.3 106.85 270 top
C22  100nF 0402 16V  [C_0402_1005Metric]  163.2 106.85 270 top
C23  100nF 0402 16V  [C_0402_1005Metric]  164.25 104.95 180 top
C24  1uf 0402 16V  [C_0402_1005Metric]  156.69 109.75 90 top
C25  1uf 0402 16V  [C_0402_1005Metric]  159.7 106.9 270 top
C26  10uf 0805 16V  [C_0805_2012Metric]  164.41 102.2 270 top
C30  1uF 0402 16V  [C_0402_1005Metric]  159.38 86.2 0 bottom
C31  1uF 0402 16V  [C_0402_1005Metric]  161.41 86.2 0 bottom
C32  1uF 0402 16V  [C_0402_1005Metric]  165.47 86.2 0 bottom
C33  4.7uF 3216 25V Tantalum  [CP_EIA-3216-18_Kemet-A]  172.32 86.82 180 bottom
C34  4.7uF 3216 25V Tantalum  [CP_EIA-3216-18_Kemet-A]  172.32 84.54 180 bottom
D1  Red 0805 C84256  [LED_0805_2012Metric]  170.4 122.21 90 bottom
D1_1  1N4148WS  [D_SOD-323Ext]  10.44 105 0 bottom
D1_2  1N4148WS  [D_SOD-323Ext]  34.33 112.94 0 bottom
D1_3  1N4148WS  [D_SOD-323Ext]  53.38 108.3 0 bottom
D1_4  1N4148WS  [D_SOD-323Ext]  72.39 110.5 0 bottom
D1_5  1N4148WS  [D_SOD-323Ext]  91.44 109.85 0 bottom
D1_6  1N4148WS  [D_SOD-323Ext]  110.53 112.94 0 bottom
D1_7  1N4148WS  [D_SOD-323Ext]  129.58 112.94 0 bottom
D1_8  1N4148WS  [D_SOD-323Ext]  11.19 86.2 0 bottom
D1_9  1N4148WS  [D_SOD-323Ext]  34.33 93.89 0 bottom
D1_10  1N4148WS  [D_SOD-323Ext]  53.38 88.8 0 bottom
D1_11  1N4148WS  [D_SOD-323Ext]  72.39 91.4 0 bottom
D1_12  1N4148WS  [D_SOD-323Ext]  91.48 96.27 0 bottom
D1_13  1N4148WS  [D_SOD-323Ext]  110.53 93.89 0 bottom
D1_14  1N4148WS  [D_SOD-323Ext]  129.58 93.89 0 bottom
D1_15  1N4148WS  [D_SOD-323Ext]  11.69 66.8 0 bottom
D1_16  1N4148WS  [D_SOD-323Ext]  34.24 68.7 0 bottom
D1_17  1N4148WS  [D_SOD-323Ext]  53.39 70.2 0 bottom
D1_18  1N4148WS  [D_SOD-323Ext]  72.43 72.5 0 bottom
D1_19  1N4148WS  [D_SOD-323Ext]  91.48 77.22 0 bottom
D1_20  1N4148WS  [D_SOD-323Ext]  110.53 74.84 0 bottom
D1_21  1N4148WS  [D_SOD-323Ext]  129.58 74.84 0 bottom
D1_22  1N4148WS  [D_SOD-323Ext]  10.39 41.8 0 bottom
D1_23  1N4148WS  [D_SOD-323Ext]  34.29 48.6 0 bottom
D1_24  1N4148WS  [D_SOD-323Ext]  53.38 51.1 0 bottom
D1_25  1N4148WS  [D_SOD-323Ext]  72.43 53.5 0 bottom
D1_26  1N4148WS  [D_SOD-323Ext]  91.48 58.17 0 bottom
D1_27  1N4148WS  [D_SOD-323Ext]  110.53 55.79 0 bottom
D1_28  1N4148WS  [D_SOD-323Ext]  132.41 51.96 346.5 bottom
D1_29  1N4148WS  [D_SOD-323Ext]  156.7 45.72 340 bottom
D1_30  1N4148WS  [D_SOD-323Ext]  15.28 36.74 0 bottom
D1_31  1N4148WS  [D_SOD-323Ext]  34.29 29.5 0 bottom
D1_32  1N4148WS  [D_SOD-323Ext]  53.39 32.2 0 bottom
D1_33  1N4148WS  [D_SOD-323Ext]  72.49 34.4 0 bottom
D1_34  1N4148WS  [D_SOD-323Ext]  103.27 32.64 355 bottom
D1_35  1N4148WS  [D_SOD-323Ext]  126.7 30.25 346.5 bottom
D1_36  1N4148WS  [D_SOD-323Ext]  148.61 25.06 340 bottom
D2  ESD5Z5V0  [D_SOD-523]  169.3 117.05 180 top
D5  Green 0805 C2297  [LED_0805_2012Metric]  178.59 82.6 90 bottom
D6  Yellow 0805 C2296  [LED_0805_2012Metric]  178.49 90.6 90 bottom
D12  1N4148WS  [D_SOD-323Ext]  157.49 78.3 0 bottom
DBG1  Conn_01x03_Male  [PinHeader_1x03_P2.54mm_Vertical]  157.09 96.7 0 top
DBG3  DebugPort  [PinHeader_1x10_P2.54mm_Vertical]  7.46 67.22 0 top
F1  2920L030DR  [Fuse_2920_7451Metric]  170.91 111.52 270 top
FB1  GZ2012D601TF  [L_0805_2012Metric]  154.15 121.47 90 bottom
FB2  GZ2012D601TF  [L_0805_2012Metric]  176.19 64.7 270 top
H1  MountingHole_Pad  [MountingHole_3mm_Pad_Via]  100.07 41 0 top
H2  MountingHole_Pad  [MountingHole_3mm_Pad_Via]  10.02 24 0 top
H3  MountingHole_Pad  [MountingHole_3mm_Pad_Via]  161.02 5 0 top
H4  MountingHole_Pad  [MountingHole_3mm_Pad_Via]  177.05 53 180 bottom
H5  MountingHole_Pad  [MountingHole_3mm_Pad_Via]  92.47 124.5 0 top
H6  MountingHole_Pad  [MountingHole_3mm_Pad_Via]  5.02 118 0 top
H7  MountingHole_Pad  [MountingHole_3mm_Pad_Via]  31.82 77.1 0 top
H8  MountingHole_Pad  [MountingHole_3mm_Pad_Via]  149.12 102.2 0 top
H9  MountingHole_Pad  [MountingHole_3mm_Pad_Via]  177.5 120.81 0 top
J1  FH34SRJ-14S-0.5SH  [FH34SRJ14S05SH50-Rev2]  19.09 117.03 0 bottom
J2  FH34SRJ-14S-0.5SH  [FH34SRJ14S05SH50-Rev2]  42.9 117.03 0 bottom
J3  FH34SRJ-14S-0.5SH  [FH34SRJ14S05SH50-Rev2]  61.95 119.41 0 bottom
J4  FH34SRJ-14S-0.5SH  [FH34SRJ14S05SH50-Rev2]  81 121.79 0 bottom
J5  FH34SRJ-14S-0.5SH  [FH34SRJ14S05SH50-Rev2]  100.05 119.41 0 bottom
J6  FH34SRJ-14S-0.5SH  [FH34SRJ14S05SH50-Rev2]  119.1 117.03 0 bottom
J7  FH34SRJ-14S-0.5SH  [FH34SRJ14S05SH50-Rev2]  138.15 117.03 0 bottom
J8  FH34SRJ-14S-0.5SH  [FH34SRJ14S05SH50-Rev2]  19.09 97.98 0 bottom
J9  FH34SRJ-14S-0.5SH  [FH34SRJ14S05SH50-Rev2]  42.9 97.98 0 bottom
J10  FH34SRJ-14S-0.5SH  [FH34SRJ14S05SH50-Rev2]  61.95 100.36 0 bottom
J11  FH34SRJ-14S-0.5SH  [FH34SRJ14S05SH50-Rev2]  81 102.74 0 bottom
J12  FH34SRJ-14S-0.5SH  [FH34SRJ14S05SH50-Rev2]  100.05 100.36 0 bottom
J13  FH34SRJ-14S-0.5SH  [FH34SRJ14S05SH50-Rev2]  119.1 97.98 0 bottom
J14  FH34SRJ-14S-0.5SH  [FH34SRJ14S05SH50-Rev2]  138.15 97.98 0 bottom
J15  FH34SRJ-14S-0.5SH  [FH34SRJ14S05SH50-Rev2]  19.09 78.93 0 bottom
J16  FH34SRJ-14S-0.5SH  [FH34SRJ14S05SH50-Rev2]  42.9 78.93 0 bottom
J17  FH34SRJ-14S-0.5SH  [FH34SRJ14S05SH50-Rev2]  61.95 81.31 0 bottom
J18  FH34SRJ-14S-0.5SH  [FH34SRJ14S05SH50-Rev2]  81 83.69 0 bottom
J19  FH34SRJ-14S-0.5SH  [FH34SRJ14S05SH50-Rev2]  100.05 81.31 0 bottom
J20  FH34SRJ-14S-0.5SH  [FH34SRJ14S05SH50-Rev2]  119.1 78.93 0 bottom
J21  FH34SRJ-14S-0.5SH  [FH34SRJ14S05SH50-Rev2]  138.15 78.93 0 bottom
J22  FH34SRJ-14S-0.5SH  [FH34SRJ14S05SH50-Rev2]  19.09 59.88 0 bottom
J23  FH34SRJ-14S-0.5SH  [FH34SRJ14S05SH50-Rev2]  42.9 59.88 0 bottom
J24  FH34SRJ-14S-0.5SH  [FH34SRJ14S05SH50-Rev2]  61.95 62.26 0 bottom
J25  FH34SRJ-14S-0.5SH  [FH34SRJ14S05SH50-Rev2]  81 64.64 0 bottom
J26  FH34SRJ-14S-0.5SH  [FH34SRJ14S05SH50-Rev2]  100.05 62.26 0 bottom
J27  FH34SRJ-14S-0.5SH  [FH34SRJ14S05SH50-Rev2]  119.1 59.88 0 bottom
J28  FH34SRJ-14S-0.5SH  [FH34SRJ14S05SH50-Rev2#3]  141.69 53.94 346.5 bottom
J29  FH34SRJ-14S-0.5SH  [FH34SRJ14S05SH50-Rev2#2]  166.15 46.63 340 bottom
J30  FH34SRJ-14S-0.5SH  [FH34SRJ14S05SH50-Rev2]  23.85 40.83 0 bottom
J31  FH34SRJ-14S-0.5SH  [FH34SRJ14S05SH50-Rev2]  42.9 40.83 0 bottom
J32  FH34SRJ-14S-0.5SH  [FH34SRJ14S05SH50-Rev2]  61.95 43.21 0 bottom
J33  FH34SRJ-14S-0.5SH  [FH34SRJ14S05SH50-Rev2]  81 45.59 0 bottom
J34  FH34SRJ-14S-0.5SH  [FH34SRJ14S05SH50-Rev2]  112.16 35.97 355 bottom
J35  FH34SRJ-14S-0.5SH  [FH34SRJ14S05SH50-Rev2#3]  135.99 32.23 346.5 bottom
J36  FH34SRJ-14S-0.5SH  [FH34SRJ14S05SH50-Rev2#2]  158.06 25.97 340 bottom
J37  FH34SRJ-12S-0.5SH  [FH34SRJ12S05SH50-Rev2]  166.89 77.24 160 bottom
J38  Conn_01x05  [PinHeader_1x05_P2.54mm_Vertical]  150.24 61.43 160 top
J39  FH12-30S-0.5SH  [Hirose_FH12-30S-0.5SH_1x30-1MP_P0.50mm_Horizontal]  166.2 86.09 0 top
JP1  CurrentLimitBypass  [SolderJumper-3_P1.3mm_Bridged12_RoundedPad1.0x1.5mm]  173.04 90.6 0 bottom
kibuzzard-63EB51FD  G***  [kibuzzard-63EB51FD]  9.49 62.08 270 bottom
kibuzzard-63EB521C  G***  [kibuzzard-63EB521C]  9.69 48.1 270 bottom
kibuzzard-639C2A4A  G***  [kibuzzard-639C2A4A]  3.22 55.38 163 bottom
kibuzzard-639C2A44  G***  [kibuzzard-639C2A44]  3.56 52.73 163 bottom
kibuzzard-639C2A60  G***  [kibuzzard-639C2A60]  3.73 50.15 163 bottom
kibuzzard-639C2A93  G***  [kibuzzard-639C2A93]  4.12 47.55 163 bottom
kibuzzard-639C2D8F  G***  [kibuzzard-639C2D8F]  149.79 69.7 180 bottom
kibuzzard-639C2D09  G***  [kibuzzard-639C2D09]  161.34 68.33 180 bottom
kibuzzard-639C2D09#2  G***  [kibuzzard-639C2D09]  158.76 61.13 180 bottom
kibuzzard-639C2D25  G***  [kibuzzard-639C2D25]  160.49 65.95 180 bottom
kibuzzard-639C2D80  G***  [kibuzzard-639C2D80]  150.69 72.1 180 bottom
kibuzzard-639C2DA1  G***  [kibuzzard-639C2DA1]  149.09 67.3 180 bottom
kibuzzard-639C2DB9  G***  [kibuzzard-639C2DB9]  159.04 63.6 180 bottom
kibuzzard-639C2DB9#2  G***  [kibuzzard-639C2DB9]  147.19 62.5 180 bottom
kibuzzard-639C2DCB  G***  [kibuzzard-639C2DCB]  148.29 64.8 180 bottom
kibuzzard-639C2E0D  G***  [kibuzzard-639C2E0D]  174.49 60.7 180 bottom
kibuzzard-639C2E0D#2  G***  [kibuzzard-639C2E0D]  157.09 74.7 90 bottom
kibuzzard-639C2E3A  G***  [kibuzzard-639C2E3A]  158.99 73.5 90 bottom
kibuzzard-639C2E3A#2  G***  [kibuzzard-639C2E3A]  172.39 55.9 180 bottom
kibuzzard-639C28BB  G***  [kibuzzard-639C28BB]  153.84 94.81 163 bottom
kibuzzard-639C28BB#2  G***  [kibuzzard-639C28BB]  4.09 67.8 163 bottom
kibuzzard-639C28CF  G***  [kibuzzard-639C28CF]  153.73 97.41 163 bottom
kibuzzard-639C29A7  G***  [kibuzzard-639C29A7]  4.09 62.7 163 bottom
kibuzzard-639C29B6  G***  [kibuzzard-639C29B6]  4.43 60.15 163 bottom
kibuzzard-639C29C6  G***  [kibuzzard-639C29C6]  3.31 57.91 163 bottom
kibuzzard-639C34AE  G***  [kibuzzard-639C34AE]  47.09 28.7 180 bottom
kibuzzard-639C34D4  G***  [kibuzzard-639C34D4]  23.09 105.2 180 bottom
kibuzzard-639C34FD  G***  [kibuzzard-639C34FD]  47.09 105.07 180 bottom